# Allegro board SDHCalFEB20180110.brd (continued)
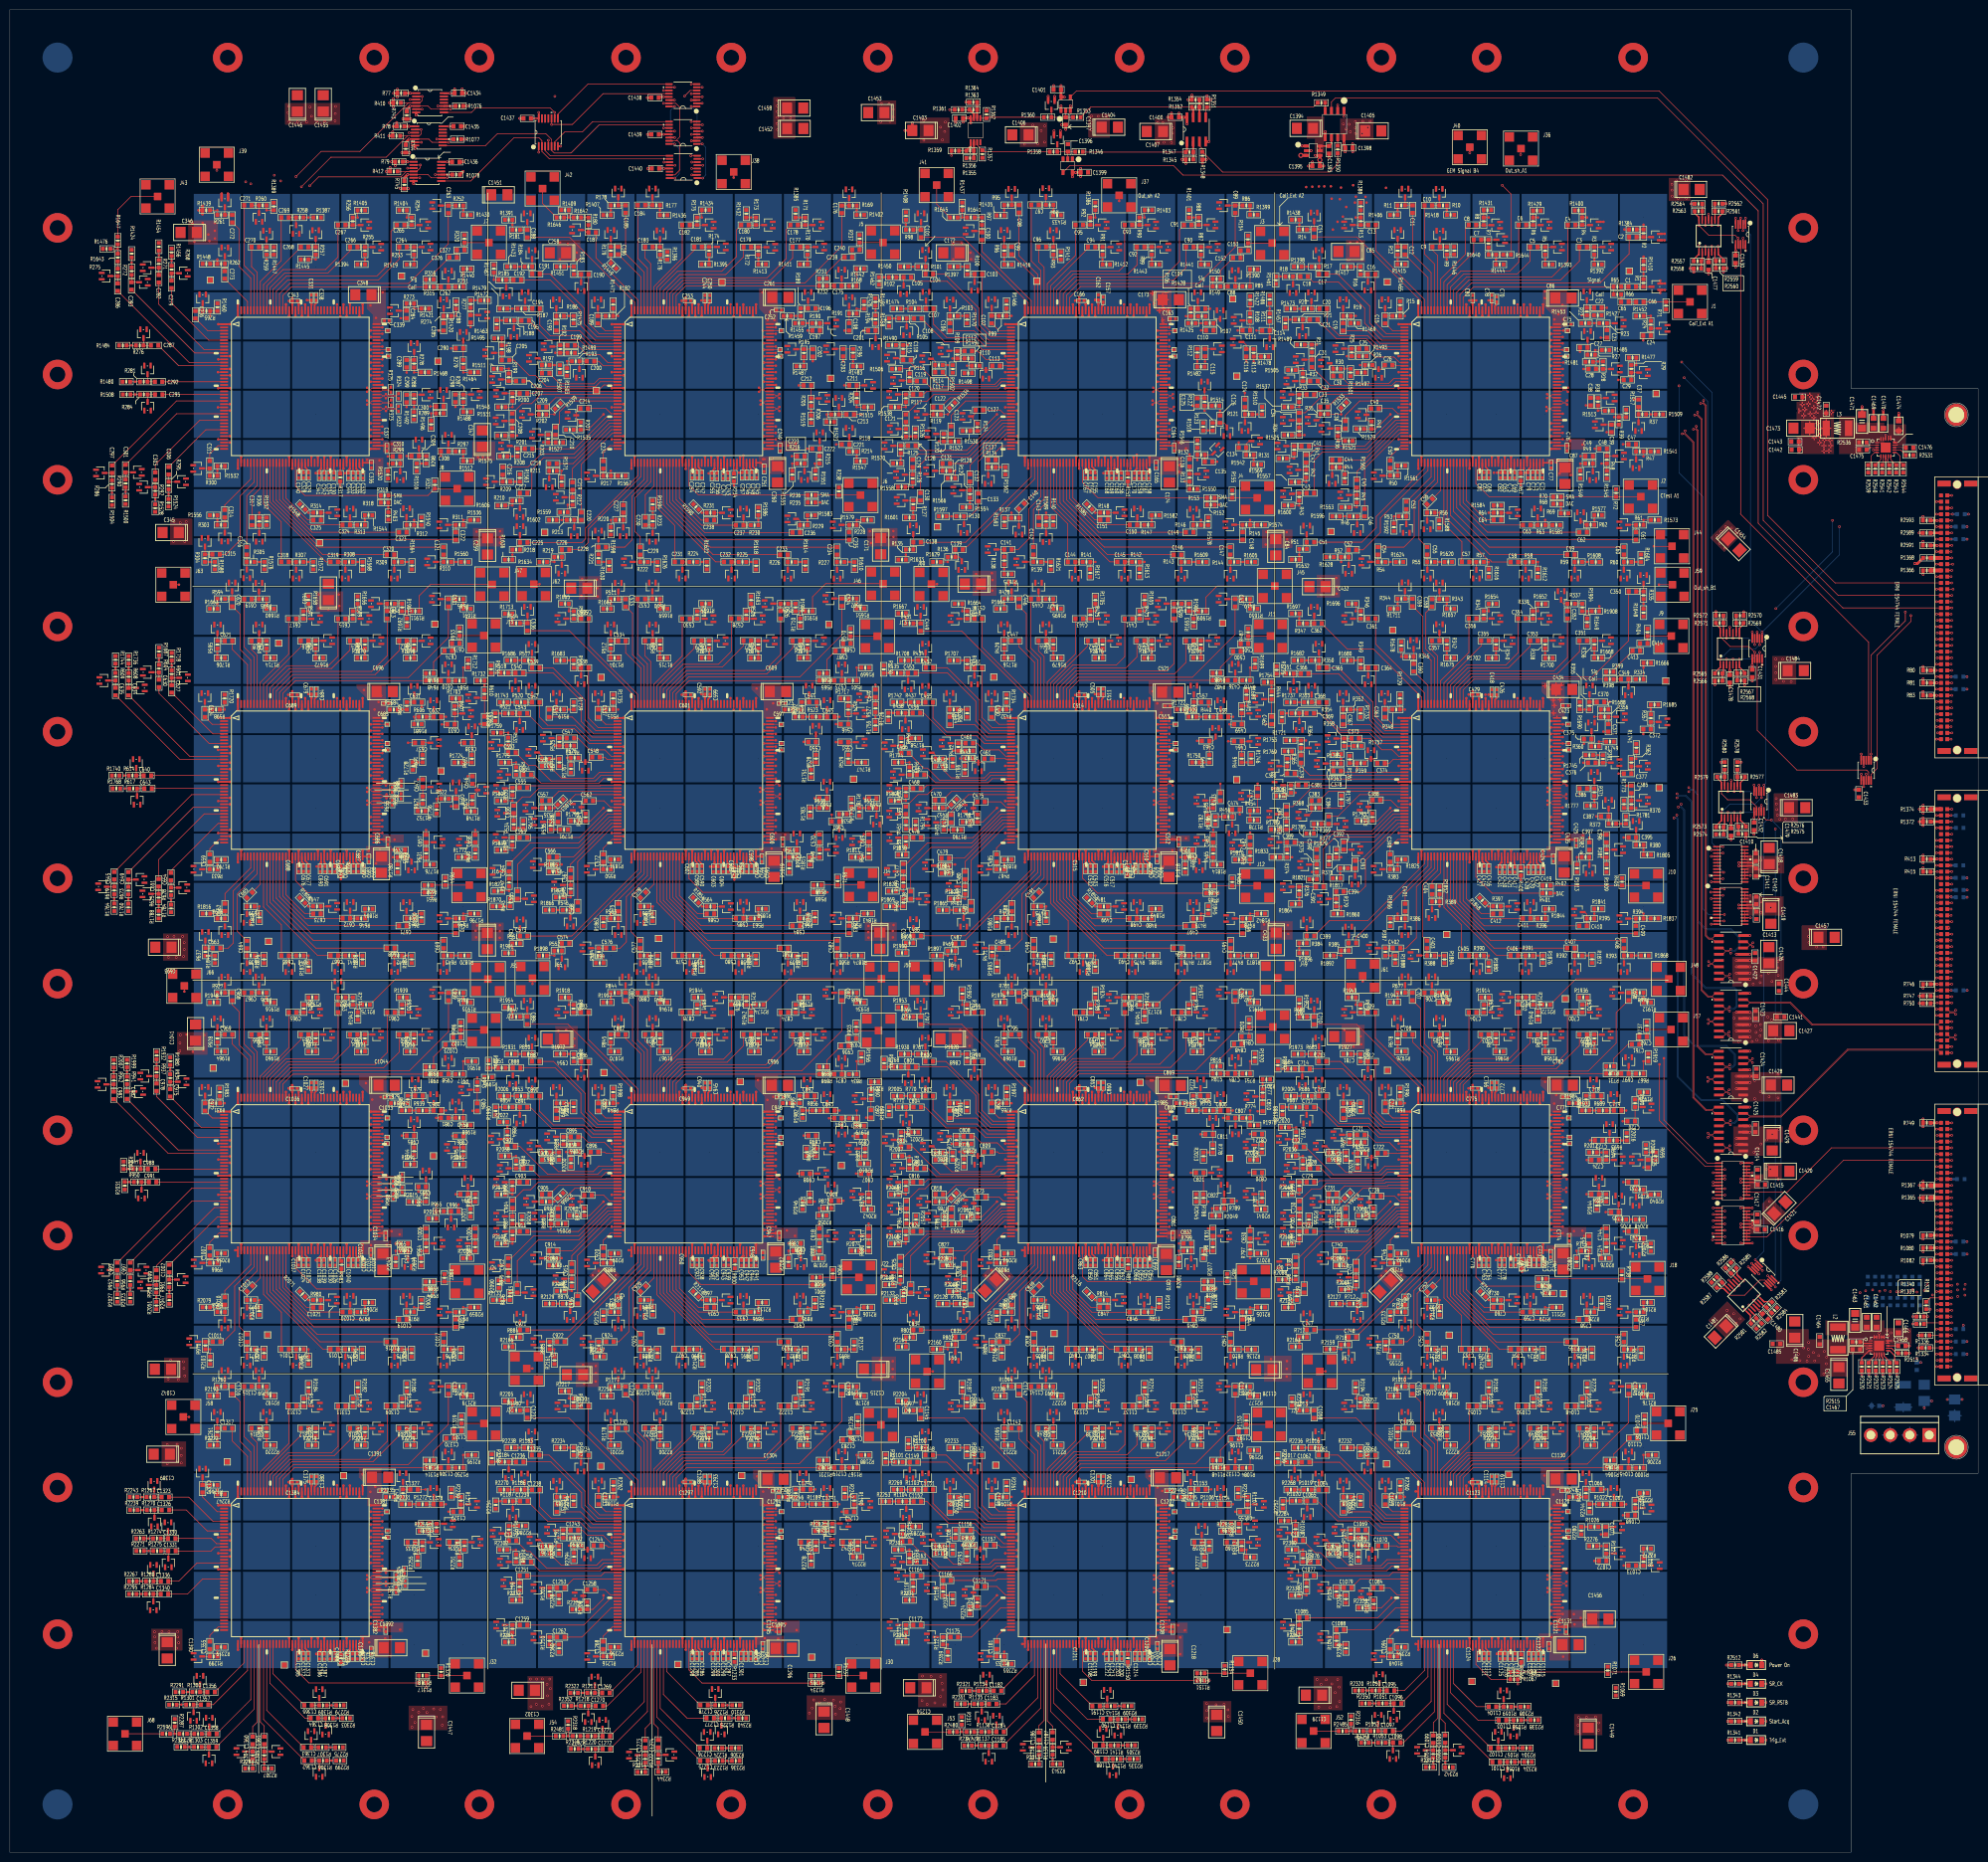
[diagram p0: board, top side]
## Routing (per net, layer and track width the routed paths; a pad name or vN(x,y) marks a point on that pad's centre or on a via; arc(x,y) is an arc through that point) (continued)
VCC3.3VA: length 498.8
  TOP w0.254: U1080.4 v4(350,209.04) ; U1079.4 v4(349.75,240.18) ; U585.76 v1(309.17,121.14) ; U1078.4 v4(345.43,324.08)
  TOP w0.305: v1(218.76,121.14) U650.60 v1(218.76,123.51) ; C166.1 217.46,315.3 v1(217.46,314.53) U130.143 ; C166.1 v1(216.61,315.3) ; C166.1 v1(217.45,316) ; U780.143 v1(57.44,154.51) ; v1(229.16,41.13) U910.76 ; v1(308.19,200.15) C428.1 308.82,200.81 v1(309.17,201.15) U325.76 ; v1(138.75,123.51) U715.60 v1(138.75,121.14) ; C1039.1 63.94,120.34 U780.68 v1(63.94,123.51) ; C429.1 v1(297.46,235.97) ; C429.1 297.46,234.52 v1(297.47,234.52) U325.143 ; C429.1 v1(296.65,235.26) ; v1(143.95,203.52) U455.68 143.95,200.41 C604.1 C603.1 ; C343.1 57.44,315.22 v1(57.44,314.53) U260.143 ; C343.1 v1(56.76,315.24) ; C343.1 v1(57.45,315.87) ; v1(296.61,155.22) 296.62,155.23 C775.1 ; v1(228.86,120.22) 228.86,120.85 v1(229.16,121.14) U650.76 ; v1(303.97,283.53) U65.68 303.97,280.43 C83.1 C82.1 ; v1(63.94,203.52) U520.68 63.94,201.21 64.09,201.06 C691.1 C690.1 ; C514.1 v1(217.46,234.52) U390.143 ; C514.1 v1(216.64,235.17) ; C514.1 v1(217.46,235.86) ; v1(298.77,203.52) U325.60 v1(298.77,201.15) 298.77,200.37 C427.1 ; U195.143 v1(137.45,314.53) 137.45,314.53 C253.1 ; C168.1 223.31,280.47 v1(223.31,281.16) U130.67 ; C168.1 v1(222.38,280.24) ; C168.1 C169.1 223.96,280.32 U130.68 v1(223.96,283.53) ; C601.1 v1(136.63,235.21) ; C601.1 v1(137.44,235.89) ; C601.1 137.45,235.21 v1(137.45,234.52) U455.143 ; C952.1 143.77,121.17 143.95,121.34 U715.68 v1(143.95,123.51) ; C1213.1 223.96,40.34 U910.68 v1(223.96,43.5) ; U455.67 v1(143.3,201.15) 143.3,200.49 C603.1 ; U260.76 v1(69.14,281.16) 68.83,280.86 C344.1 v1(68.2,280.25) ; U455.76 v1(149.15,201.15) 149.15,200.6 C605.1 v1(148.18,200.3) ; C341.1 C342.1 63.94,280.29 U260.68 v1(63.94,283.53) ; C341.1 v1(62.2,280.26) ; C341.1 62.92,280.79 v1(63.29,281.16) U260.67 ; C777.1 C778.1 303.97,120.37 U585.68 v1(303.97,123.51) ; C777.1 v1(302.23,120.32) ; C777.1 302.93,120.75 v1(303.32,121.14) U585.67 ; U65.67 303.32,280.55 C82.1 ; U975.67 v1(143.3,41.13) ; v1(58.74,43.5) U1040.60 v1(58.74,41.13) ; C516.1 v1(222.3,200.27) ; C516.1 C517.1 223.96,200.33 U390.68 v1(223.96,203.52) ; C516.1 223,200.84 v1(223.31,201.15) U390.67 ; U1081.4 v4(355.74,110.06) 356.4,109.39 C1480.1 ; C170.1 228.66,280.67 v1(229.16,281.16) U130.76 v1(229.16,283.97) ; C603.1 v1(142.39,200.28) ; C775.1 v1(297.46,155.91) ; C775.1 297.47,155.22 v1(297.47,154.51) U585.143 ; v1(218.76,43.5) U910.60 v1(218.76,41.13) ; v1(149.15,283.82) U195.76 v1(149.15,281.16) 149.15,280.57 C257.1 v1(148.27,280.33) ; C1387.1 63.94,40.3 U1040.68 v1(63.94,43.5) ; v1(138.75,203.52) U455.60 v1(138.75,201.15) 138.75,200.33 C602.1 ; C167.1 218.76,280.32 v1(218.76,281.16) U130.60 ; v1(143.95,283.53) U195.68 143.95,280.37 C256.1 C255.1 ; v1(308.31,120.32) C779.1 308.95,120.92 v1(309.17,121.14) ; C689.1 v1(56.59,235.21) ; C689.1 57.44,235.21 v1(57.44,234.52) U520.143 ; C689.1 v1(57.43,235.92) ; C80.1 v1(296.77,315.35) ; C80.1 297.47,315.34 v1(297.47,314.53) U65.143 ; C80.1 v1(298.17,315.35) ; v1(228.3,200.32) C518.1 228.94,200.94 v1(229.16,201.15) U390.76 ; U650.67 v1(223.31,121.14) 222.97,120.8 C864.1 v1(222.28,120.29) ; v1(138.75,43.5) U975.60 v1(138.75,41.13) ; C82.1 v1(302.41,280.34) ; v1(138.75,283.53) U195.60 v1(138.75,281.16) 138.75,281.16 C254.1 ; U845.67 v1(303.32,41.13) ; U715.76 v1(149.15,121.14) ; C1300.1 143.95,40.34 U975.68 v1(143.95,43.52) ; v1(68.26,200.33) C692.1 68.89,200.91 v1(69.14,201.15) U520.76 ; v1(58.74,123.51) U780.60 v1(58.74,121.14) ; v1(303.97,203.52) U325.68 303.97,200.18 C430.1 C431.1 ; C431.1 v1(302.29,200.18) ; C431.1 302.98,200.82 v1(303.32,201.15) U325.67 ; C1126.1 303.97,40.36 U845.68 v1(303.97,43.5) ; C253.1 v1(136.63,315.28) ; C253.1 v1(137.45,315.98) ; U780.67 v1(63.29,121.14) ; U650.143 v1(217.46,154.51) ; C340.1 58.74,280.33 v1(58.74,281.16) U260.60 ; C81.1 298.77,280.34 v1(298.77,281.16) U65.60 v1(298.77,283.53) ; U910.67 v1(223.31,41.13) ; U65.76 309.17,281.35 v1(308.94,281.13) 308.71,280.89 C79.1 v1(308.07,280.34) ; C690.1 63.1,200.97 v1(63.29,201.15) U520.67 ; C690.1 v1(62.41,200.3) ; v1(298.77,123.51) U585.60 v1(298.77,121.14) 298.77,120.3 C776.1 ; U195.67 v1(143.3,281.16) 142.79,280.65 C255.1 ; U1040.67 v1(63.29,41.13) ; U715.67 v1(143.3,121.14) ; C865.1 223.96,120.3 U650.68 v1(223.96,123.51) ; U780.76 v1(69.14,121.14) ; C515.1 v1(218.76,201.15) U390.60 v1(218.76,203.52) ; C255.1 v1(142.11,280.2) ; U910.143 v1(217.46,74.5) ; U845.76 v1(309.17,41.13) ; U975.143 v1(137.45,74.5) ; U1040.76 v1(69.14,41.13) ; v1(298.77,41.13) U845.60 v1(298.77,43.5) ; v1(58.74,203.52) U520.60 v1(58.74,201.15) 58.74,200.33 C688.1 ; U975.76 v1(149.15,41.13) ; U715.143 v1(137.45,154.51) ; U845.143 v1(297.47,74.5) ; U1040.143 v1(57.44,74.5)
  TOP w0.508: C951.1 v1(142.15,120.27) ; C951.1 142.78,120.63 v1(143.3,121.14) ; C951.1 C952.1 ; C1299.1 142.99,40.82 v1(143.3,41.13) ; C1299.1 C1300.1 ; C1299.1 v1(142.35,40.31) ; v1(138.75,121.14) 138.75,120.32 C950.1 ; v1(69.14,121.14) 68.84,120.85 v1(68.84,120.29) ; v1(297.47,74.5) 297.47,75.18 C1123.1 ; C1211.1 218.76,40.31 v1(218.76,41.13) ; C1297.1 v1(137.44,75.85) ; C1297.1 v1(136.74,75.22) ; C1297.1 137.45,75.21 v1(137.45,74.5) ; v1(58.74,41.13) 58.74,40.31 C1385.1 ; v1(57.44,154.51) 57.44,155.22 C1036.1 ; C1384.1 57.44,75.18 v1(57.44,74.5) ; C1384.1 v1(56.73,75.19) ; C1384.1 v1(57.43,75.83) ; v4(349.75,240.18) 349.75,240.18 C1478.1 ; v1(68.68,40.28) 68.68,40.68 v1(69.14,41.13) ; C1124.1 298.76,41.13 v1(298.77,41.13) ; C1125.1 v1(302.4,40.31) ; C1125.1 303.03,40.84 v1(303.32,41.13) ; C1125.1 C1126.1 ; C949.1 v1(136.74,155.25) ; C949.1 v1(137.44,155.89) ; C949.1 137.45,155.24 v1(137.45,154.51) ; v1(222.39,40.28) C1212.1 223.02,40.85 v1(223.31,41.13) ; v4(345.43,324.08) 345.43,323.12 C1477.1 ; C1038.1 v1(62.26,120.29) ; C1038.1 62.9,120.75 v1(63.29,121.14) ; C1038.1 C1039.1 ; C1036.1 v1(56.73,155.23) ; C1036.1 v1(57.43,155.86) ; U1042.2 v4(212.33,349.81) ; v4(213.76,359) C1401.1 213.75,358.17 U1046.5 v4(214.44,356.67) ; v4(239.36,351.19) U1045.8 v4(238.7,352.56) 237.74,352.56 C1400.1 v4(237.74,353.39) ; C1386.1 62.97,40.81 v1(63.29,41.13) ; C1386.1 v1(62.33,40.28) ; C1386.1 C1387.1 ; v1(309.17,41.13) 308.87,40.84 v1(308.87,40.26) ; C1479.1 350,208.08 v4(350,209.04) ; C863.1 218.76,120.31 v1(218.76,121.14) ; C1399.1 216.76,341.36 v4(216.75,341.37) U1043.5 v4(216.07,340.45) ; C1399.1 v4(217.74,342.19) ; C1399.1 v4(217.74,340.54) ; v1(228.76,40.28) 228.76,40.74 v1(229.16,41.13) ; v1(217.46,154.51) 217.46,155.19 C862.1 ; v1(148.78,120.27) 148.78,120.77 v1(149.15,121.14) ; v4(195.39,351.4) U1048.8 v4(194.81,352.39) 194.8,352.39 C1402.1 v4(193.85,351.56) ; U1041.4 v4(265.47,344.82) ; U1047.2 v4(211.14,356.82) ; v1(138.75,41.13) 138.75,40.31 C1298.1 ; v1(149.15,41.13) 148.7,40.69 v1(148.7,40.31) ; C862.1 v1(216.75,155.2) ; C862.1 v1(217.45,155.84) ; C1210.1 v1(216.75,75.22) ; C1210.1 v1(217.45,75.85) ; C1210.1 217.46,75.21 v1(217.46,74.5) ; v1(58.74,121.14) 58.74,120.32 C1037.1 ; C1123.1 v1(297.46,75.83) ; C1123.1 v1(296.76,75.19) ; U1044.8 v4(271.28,347.31) 271.28,346.88 271.53,346.63 C1398.1 v4(271.53,345.52) ; C865.1 C864.1 ; C1395.1 v4(267.17,342.66)
  TOP w0.61: U1041.3 v6(262.52,344.82) ; U1041.4 v6(266.39,343.88) C1395.1
  GND1 w0.305: v1(138.75,203.52) v2(138.75,204.25) ; v1(308.07,280.34) v2(308.07,279.6) ; v1(297.47,314.53) v2(297.47,313.79) ; v1(302.29,200.18) v2(302.29,199.44) ; v1(301.78,280.34) v1(302.41,280.34) v2(303.15,280.34) ; v1(301.78,280.34) v2(301.04,280.34) ; v1(301.78,280.34) v2(301.78,279.6) ; v1(309.17,201.15) v2(309.17,201.89) ; v1(298.77,121.14) v2(298.77,121.88) ; v1(217.46,234.52) v2(217.46,233.78) ; v1(138.75,283.53) v2(138.75,284.26) ; v1(143.95,283.53) v2(143.95,284.26) ; v1(298.77,201.15) 298.77,201.83 ; v1(308.19,200.15) v2(308.19,199.42) ; v1(57.43,235.92) v2(58.17,235.92) ; v1(223.96,283.53) v2(223.96,284.26) ; v1(62.2,280.26) v2(62.2,279.53) ; v1(229.16,201.15) v2(229.16,201.89) ; v1(217.46,235.86) v2(217.46,236.6) ; v1(63.29,201.15) v2(63.29,201.89) ; v1(56.76,315.24) v2(56.24,315.76) ; v1(217.45,316) v2(217.45,316.74) ; v1(142.39,200.28) v2(142.39,199.54) ; v1(149.15,281.16) v2(149.15,281.9) ; v1(57.45,315.87) v2(57.45,316.61) ; v1(216.64,235.17) v2(216.64,235.9) ; v1(309.17,121.14) v2(309.17,121.88) ; v1(57.44,234.52) v2(57.44,233.78) ; v1(303.32,201.15) v2(303.32,201.89) ; v1(68.26,200.33) v2(68.26,199.59) ; v1(298.17,315.35) v2(298.91,315.35) ; v1(222.38,280.24) v2(222.38,279.5) ; v1(217.46,314.53) v2(217.46,313.79) ; v1(137.45,234.52) v2(137.45,233.78) ; v1(302.23,120.32) v2(302.23,119.58) ; v1(142.11,280.2) v2(141.38,280.2) ; v1(69.14,201.15) v2(69.14,201.89) ; v1(56.59,235.21) v2(56.59,235.95) ; v1(229.16,283.97) v2(229.16,284.71) ; v1(63.94,283.53) v2(63.94,284.26) ; v1(63.94,203.52) v2(63.94,204.25) ; v1(216.61,315.3) v2(215.87,315.3) ; v1(218.76,203.52) v2(218.76,202.78) ; v1(223.96,203.52) v2(223.96,204.25) ; v1(138.75,201.15) v2(138.75,200.42) ; v1(217.46,154.51) v2(217.46,153.77) ; v1(218.76,201.15) v2(218.76,200.42) ; v1(303.97,203.52) v2(303.97,204.25) ; v1(148.27,280.33) v2(148.27,279.59) ; v1(138.75,281.16) v2(138.75,280.43) ; v1(143.3,201.15) v2(143.3,201.89) ; v1(149.15,201.15) v2(149.15,201.89) ; v1(296.65,235.26) v2(296.65,236) ; v1(58.74,203.52) v2(58.74,204.25) ; v1(297.47,234.52) v2(297.47,233.78) ; v1(69.14,281.16) v2(69.14,281.9) ; v1(297.46,235.97) v2(297.46,236.7) ; v1(229.16,281.16) v2(229.16,281.9) ; v1(303.97,123.51) v2(303.97,124.24) ; v1(137.45,315.98) v2(137.45,316.71) ; v1(222.3,200.27) v2(222.3,199.53) ; v1(298.77,283.53) v2(298.77,284.26) ; v1(137.45,314.53) v2(137.45,313.79) ; v1(148.18,200.3) v2(148.18,199.56) ; v1(223.31,201.15) v2(223.31,201.89) ; v1(62.41,200.3) v2(62.41,199.57) ; v1(149.15,283.82) v2(149.15,284.56) ; v1(228.3,200.32) v2(228.3,199.58) ; v1(136.63,235.21) v2(136.63,235.95) ; v1(296.77,315.35) v2(296.77,316.08) ; v1(68.2,280.25) v2(68.2,279.52) ; v1(143.95,203.52) v2(143.95,204.25) ; v1(298.77,281.16) v2(298.77,281.9) ; v1(308.94,281.13) v2(308.94,281.86) ; v1(303.97,283.53) v2(303.97,284.26) ; v1(297.46,155.91) v2(298.2,155.91) ; v1(58.74,201.15) v2(58.74,201.89) ; v1(298.77,123.51) v2(298.77,124.24) ; v1(136.63,315.28) v2(136.11,315.8) ; v1(63.29,281.16) v2(63.29,281.9) ; v1(298.77,203.52) v2(298.77,204.25) ; v1(297.47,154.51) v2(297.47,153.77) ; v1(143.3,281.16) v2(143.3,281.9) ; v1(303.32,121.14) v2(303.32,121.88) ; v1(296.61,155.22) v2(296.61,155.97) ; v1(58.74,281.16) v2(58.74,281.9) ; v1(57.44,314.53) v2(57.44,313.79) ; v1(137.44,235.89) v2(138.18,235.89) ; v1(308.31,120.32) v2(308.31,119.58) ; v1(223.31,281.16) v2(223.31,281.9)
  GND1 w0.508: v1(122.12,118.11) v2(122.86,118.11) ; v1(199.69,259.92) v2(200.43,259.92) ; v1(256.46,100.2) v2(256.46,100.94) ; v1(199.77,256.39) v2(200.51,256.39) ; v1(41.71,327.94) v2(42.44,327.94) ; v1(296.76,75.19) v2(296.24,75.71) ; v1(275.03,325.48) v2(275.77,325.48) ; v1(280.85,116.23) v2(280.85,116.97) ; v1(149.15,121.14) v2(149.15,121.88) ; v1(40.36,328.75) v2(39.62,328.75) ; v1(274.8,164.19) v2(275.54,164.19) ; v1(217.45,75.85) v2(217.45,76.59) ; v1(177.24,96.32) v2(177.24,95.58) ; v1(99.67,268.45) v2(100.41,268.45) ; v1(179.53,99.77) v2(180.26,99.77) ; v1(138.75,123.51) v2(138.75,124.24) ; v1(259.66,98.22) v2(260.4,98.22) ; v1(217.46,74.5) v2(217.46,73.76) ; v1(175.11,266.04) v2(174.37,266.04) ; v1(303.32,41.13) v2(303.32,41.87) ; v1(255.04,188.52) v2(254.3,188.52) ; v1(174.6,188.21) v2(173.86,188.21) ; v1(66.98,253.26) v2(67.72,253.26) ; v1(200.61,116.39) v2(200.61,117.13) ; v1(68.68,40.28) v2(68.68,39.54) ; v1(95.02,188.32) v2(94.28,188.32) ; v1(148.78,120.27) v2(148.78,119.53) ; v1(271.37,163.73) v2(271.37,164.47) ; v1(115.29,325.07) v2(115.81,325.59) ; v1(119.15,97.33) v2(119.89,97.33) ; v2(136.21,75.76) 136.74,75.22 v1(136.74,75.22) ; v1(259.66,265.61) v2(260.4,265.61) ; v1(272.21,323.67) v2(271.69,323.15) ; v1(179.68,267.28) v2(180.42,267.28) ; v1(223.31,41.13) v2(223.31,41.87) ; v1(272.54,327.1) v2(271.81,327.1) ; v1(137.44,155.89) v2(137.44,156.63) ; v1(218.76,41.13) v2(218.76,40.4) ; v1(259.94,186.61) v2(260.68,186.61) ; v1(174.57,186.97) v2(173.84,186.97) ; v1(202.11,118.16) v2(202.84,118.16) ; v1(143.95,123.51) v2(143.95,124.24) ; v1(58.74,41.13) v2(58.74,40.4) ; v1(119.15,98.81) v2(119.89,98.81) ; v1(229.16,121.14) v2(229.16,121.88) ; v1(303.97,43.5) v2(303.97,44.23) ; v1(69.14,121.14) v2(69.14,121.88) ; v1(269.85,257.18) v2(270.59,257.18) ; v1(148.7,40.31) v2(148.7,39.57) ; v1(228.86,120.22) v2(228.86,119.48) ; v1(179.53,98.17) v2(180.26,98.17) ; v1(63.94,43.5) v2(63.94,44.23) ; v1(281.91,118.24) v2(282.65,118.24) ; v1(179.58,185.9) v2(180.31,185.9) ; v1(138.75,41.13) v2(138.75,40.4) ; v1(116.36,258.72) v2(116.36,259.46) ; v1(222.39,40.28) v2(222.39,39.55) ; v1(119.46,256.84) v2(120.19,256.84) ; v1(62.89,255.57) v2(62.89,256.31) ; v1(99.67,266.09) v2(100.41,266.09) ; v1(217.45,155.84) v2(217.45,156.57) ; v1(143.3,41.13) v2(143.3,41.87) ; v1(259.69,99.8) v2(260.43,99.8) ; v2(216.22,155.74) 216.75,155.21 v1(216.75,155.2) ; v1(58.74,43.5) v2(58.74,44.23) ; v1(195.17,163.86) v2(195.17,163.12) ; v1(119.76,118.11) v2(119.76,118.85) ; v1(298.77,41.13) v2(298.77,40.4) ; v1(35.97,166.14) v2(35.97,165.4) ; v1(259.74,266.8) v2(260.48,266.8) ; v1(282.91,117.32) v2(283.64,117.32) ; v1(37.16,331.01) v2(36.42,331.01) ; v1(57.44,154.51) v2(57.44,153.77) ; v1(136.74,155.25) v2(136.22,155.77) ; v1(222.28,120.29) v2(222.28,119.56) ; v1(68.84,120.29) v2(68.84,119.56) ; v1(203.23,116.99) v2(203.96,116.99) ; v1(257.15,96.14) v2(257.15,95.4) ; v1(138.75,121.14) v2(138.75,120.41) ; v1(95.05,266.22) v2(94.31,266.22) ; v1(179.55,187.22) v2(180.29,187.22) ; v1(266.5,258.85) v2(266.5,259.59) ; v1(271.37,167.06) v2(271.37,167.79) ; v1(308.87,40.26) v2(308.87,39.52) ; v1(218.76,123.51) v2(218.76,124.24) ; v1(116.79,95.22) v2(117.53,95.22) ; v1(191.85,326.87) v2(191.33,327.39) ; v1(62.33,40.28) v2(61.59,40.28) ; v1(142.15,120.27) v2(142.15,119.53) ; v1(259.64,268.25) v2(260.38,268.25) ; v1(111.89,327.08) v2(111.15,327.08) ; v1(143.95,43.52) v2(143.95,44.25) ; v1(179.53,96.57) v2(180.26,96.57) ; v1(118.54,117.25) v2(117.81,117.25) ; v1(94.82,185.93) v2(94.08,185.93) ; v1(40.59,327.43) v2(40.59,326.69) ; v1(191.39,163.83) v2(191.39,164.57) ; v1(39.22,331.09) v2(39.95,331.09) ; v1(41.66,331.09) v2(42.39,331.09) ; v1(174.6,185.85) v2(173.86,185.85) ; v1(223.96,43.5) v2(223.96,44.23) ; v1(94.72,187.25) v2(93.98,187.25) ; v1(274.68,165.79) v2(275.41,165.79) ; v1(302.4,40.31) v2(302.4,39.57) ; v1(174.88,268.43) v2(174.14,268.43) ; v1(269.8,255.75) v2(270.54,255.75) ; v1(137.45,74.5) v2(137.45,73.76) ; v1(56.73,155.23) v2(56.21,155.75) ; v1(138.75,43.5) v2(138.75,44.23) ; v1(41.68,329.51) v2(42.42,329.51) ; v1(196.44,256.11) v2(196.44,255.37) ; v1(259.87,188.39) v2(259.87,189.13) ; v1(191.85,323.7) v2(191.33,323.18) ; v1(176.94,99.95) v2(176.94,100.69) ; v1(111.48,163.75) v2(112.22,163.75) ; v1(37.54,327.28) v2(37.54,326.54) ; v1(297.46,75.83) v2(297.46,76.56) ; v1(116.23,255.3) v2(116.23,254.56) ; v1(114.78,165.33) v2(115.52,165.33) ; v1(137.45,154.51) v2(137.45,153.77) ; v1(123.22,117.25) v2(123.95,117.25) ; v1(113.49,326.85) v2(114.22,326.85) ; v1(37.21,162.66) v2(36.47,162.66) ; v1(58.74,121.14) v2(58.74,120.41) ; v1(114.76,163.86) v2(115.49,163.86) ; v1(62.84,252.78) v2(62.84,253.52) ; v1(218.76,43.5) v2(218.76,44.23) ; v1(193.24,167.03) v2(192.51,167.03) ; v1(57.43,155.86) v2(57.43,156.6) ; v1(63.29,121.14) v2(63.29,121.88) ; v1(57.43,75.83) v2(58.17,75.83) ; v1(223.96,123.51) v2(223.96,124.24) ; v1(179.65,268.48) v2(180.39,268.48) ; v1(228.76,40.28) v2(228.76,39.55) ; v1(279.88,118.06) v2(279.88,118.8) ; v1(119.13,95.66) v2(119.86,95.66) ; v1(99.64,188.37) v2(100.38,188.37) ; v1(266.73,255.5) v2(267.46,255.5) ; v1(64.77,252.58) v2(65.51,252.58) ; v1(119.35,258.6) v2(120.09,258.6) ; v1(119.53,255.19) v2(120.27,255.19) ; v1(255.52,268.3) v2(254.79,268.3) ; v1(309.17,41.13) v2(309.17,41.87) ; v1(273.25,163.7) v2(273.25,164.44) ; v1(66.88,255.57) v2(67.61,255.57) ; v1(99.64,187.17) v2(100.38,187.17) ; v1(278.87,117.14) v2(278.13,117.14) ; v1(115.09,323.65) v2(115.61,323.13) ; v1(111.84,323.7) v2(111.32,323.18) ; v1(195.33,325.04) v2(196.06,325.04) ; v1(57.44,74.5) v2(57.44,73.52) ; v1(195.45,323.72) v2(195.97,323.2) ; v1(63.29,41.13) v2(63.29,41.87) ; v1(297.47,74.5) v2(297.47,73.76) ; v1(39.55,166.04) v2(38.81,166.04) ; v1(259.64,96.65) v2(260.38,96.65) ; v1(99.62,185.83) v2(100.36,185.83) ; v1(111.56,166.88) v2(111.56,166.14) ; v1(143.3,121.14) v2(143.3,120.41) ; v1(193.5,326.95) v2(193.5,327.69) ; v1(39.34,162.99) v2(39.34,162.26) ; v1(58.74,123.51) v2(58.74,124.24) ; v1(269.72,258.93) v2(270.46,258.93) ; v1(137.44,75.85) v2(138.18,75.85) ; v1(179.71,188.42) v2(180.44,188.42) ; v1(255.09,186.33) v2(254.36,186.33) ; v1(196.49,259.74) v2(197.23,259.74) ; v1(194.64,165.61) v2(194.12,165.09) ; v1(116.59,99.01) v2(116.59,99.75) ; v1(94.92,268.35) v2(94.18,268.35) ; v1(223.31,121.14) v2(223.31,121.88) ; v1(257.2,188.57) v2(257.2,189.31) ; v1(198.45,117.17) v2(197.71,117.17) ; v1(218.76,121.14) v2(218.76,120.41) ; v1(63.94,123.51) v2(63.94,124.24) ; v1(255.37,265.73) v2(254.63,265.73) ; v1(216.75,75.22) v2(216.23,75.74) ; v1(142.35,40.31) v2(142.35,39.57) ; v1(149.15,41.13) v2(149.15,41.87) ; v1(179.68,265.99) v2(180.42,265.99) ; v1(69.14,41.13) v2(69.14,41.87) ; v1(298.77,43.5) v2(298.77,44.23) ; v1(229.16,41.13) v2(229.16,41.87) ; v1(273.96,327.13) v2(273.96,327.86) ; v1(274.93,323.65) v2(275.45,323.13) ; v1(62.26,120.29) v2(62.26,119.56) ; v1(199.82,258.52) v2(200.56,258.52) ; v1(56.73,75.19) v2(56.21,75.71) ; v1(113.13,167.06) v2(113.87,167.06) ; v1(199.67,118.21) v2(198.93,118.21) ; v1(99.67,267.23) v2(100.41,267.23)
  vias: v1(120.86,116.27) v2(298.75,201.89) v4(29.41,44.78) v4(29.46,43.74) v4(29.51,42.6) v4(29.79,41.45) v4(30.94,44.83) v4(32,82.85) v4(32,78.89) v4(32.08,186.06) v4(32.23,181.86) v4(32.18,96.14) v4(32.36,44.78) v4(32.72,100.03) v4(33.27,266.34) v4(33.4,270.38) v4(33.38,186.11) v4(33.83,181.84) v4(33.93,41.45) v4(34.01,82.91) v4(34.14,44.83) v4(34.14,43.71) v4(34.26,96.01) v4(34.32,42.55) v4(34.65,270.15) v4(34.59,164.44) v4(34.57,162.81) v4(34.67,166.07) v4(34.85,80.62) v4(34.87,82.07) v4(34.87,79.1) v4(35.13,186.11) v4(35.33,182.04) v4(35.31,99.67) v4(35.41,98.32) v4(35.46,184.84) v4(35.46,183.44) v4(35.56,266.34) v4(35.56,96.8) v4(35.86,270.41) v4(105.87,35.18) v4(105.97,29.57) v4(107.14,35.18) v4(107.06,30.05) v4(108.28,35.2) v4(108.28,29.69) v4(109.25,34.11) v4(109.32,31.78) v4(109.63,30.07) v4(109.8,35.18) v4(109.91,33.22) v4(185.5,30.78) v4(185.57,35.79) v4(185.85,351.79) v4(185.85,347.9) v4(186.51,30.05) v4(187.32,35.74) v4(188.09,30.35) v4(189.26,350.55) v4(189.28,35.69) v4(189.26,31.62) v4(189.64,347.95) v4(189.56,34.32) v4(189.71,32.97) v4(189.97,29.95) v4(190.09,349.68) v4(190.22,351.59) v4(205.97,350.95) v4(206.32,347.09) v4(208.03,350.98) v4(209.04,347.19) v4(209.73,349.86) v4(210.44,350.8) v4(210.41,347.52) v4(219.94,352.78) v4(219.94,351.36) v4(219.94,349.99) v4(221.31,352.76) v4(223.04,352.76) v4(233.43,351.46) v4(233.53,347.5) v4(234.47,351.46) v4(234.7,347.47) v4(236.19,347.42) v4(236.42,349.35) v4(236.5,350.42) v4(265.81,35.1) v4(266.17,29.46) v4(266.62,34.11) v4(267.69,35.03) v4(268.48,29.39) v4(268.81,34.19) v4(269.49,32.41) v4(269.82,29.57) v4(270,35.08) v4(270.31,33.55) v4(270.38,30.63) v4(271.17,351.21) v4(271.68,350.16) v4(272.34,351.13) v4(272.57,349.61) v4(273.61,351.66) v4(273.61,350.39) v4(273.63,349.28) v4(274.99,349.25) v4(275.11,351.74) v4(276.12,350.49) v4(276.63,351.74) v4(337.97,338.96) v4(338,337.77) v4(338.02,336.52) v4(338.89,339.62) v4(339.22,336.09) v4(340.87,339.67) v4(340.92,336.12) v4(346.35,108.15) v4(349.2,110.11) v4(349.61,108.86) v4(350.55,109.42) v4(351.05,107.49) v4(351.84,108.38) v4(359.11,242.47) v4(359.08,240.97) v4(359.11,239.7) v4(359.13,238.3) v4(359.18,214.12) v4(359.23,213.03) v4(359.31,211.89) v4(359.41,210.74) v4(359.92,209.91) v4(360.48,242.42) v4(360.68,237.92) v4(361.06,209.98) v4(362.23,237.87) v4(362.15,214.48) v4(362.38,100.08) v4(362.56,209.98) v4(363.7,101.19) v4(364.01,99.9) v4(364.77,102.49) v4(365.46,99.8) v4(365.71,102.21) v4(365.76,103.58) v4(365.79,100.76) v4(366.75,101.52) v4(367,99.85) v4(367.84,100.91) v4(368.86,97.21) v4(368.96,101.75) v4(369.44,100.61) v4(369.37,99.26) v4(369.44,97.89)
VCC3.3VD: length 511.4
  TOP w0.127: v4(367.28,292.46) 367.28,292.43
  TOP w0.254: C1442.1 363.83,285.62 ; C1442.1 363.83,284.38 ; C1442.1 364.41,285 ; 369.37,291.85 C1472.1 ; C1472.1 368.74,292.43 ; C1472.1 369.37,293.01 ; 365.73,293.88 v4(365.73,294.31) ; v4(365.73,294.31) 365.3,294.31 ; v4(365.73,294.31) 365.73,294.74 ; v4(365.73,294.31) 366.17,294.31 ; 364.77,291.49 v4(364.77,291.92) ; v4(364.77,291.92) 364.34,291.92 ; v4(364.77,291.92) 365.2,291.92 ; v4(364.77,291.92) 364.77,292.35 ; 315.26,233.76 v1(315.26,234.19) ; v1(315.26,234.19) 315.26,234.62 ; v1(315.26,234.19) 314.83,234.19 ; v1(315.26,234.19) 315.7,234.19 ; v1(233.76,313.27) 233.76,313.7 ; v1(233.76,313.27) 233.32,313.27 ; v1(233.76,313.27) 234.19,313.27 ; v1(233.76,313.27) 233.76,312.84 ; U1065.6 v4(354.68,210.21) 354.68,209.25 C1432.1 ; 311.76,237.02 v1(312.19,237.02) ; v1(312.19,237.02) 312.19,237.45 ; v1(312.19,237.02) 312.19,236.58 ; v1(312.19,237.02) 312.62,237.02 ; v4(351.57,191.84) U1051.18 354.48,191.84 C1413.1 ; C434.1 314.41,237.62 ; C434.1 313.22,236.3 ; C434.1 315.6,236.3 ; C434.1 314.41,234.97 ; 365.99,295.63 v4(365.99,296.06) ; v4(365.99,296.06) 365.56,296.06 ; v4(365.99,296.06) 365.99,296.49 ; v4(365.99,296.06) 366.42,296.06 ; 313.87,233.68 v1(313.87,234.11) ; v1(313.87,234.11) 313.44,234.11 ; v1(313.87,234.11) 314.3,234.11 ; v1(313.87,234.11) 313.87,234.54 ; v4(367.67,290.35) 367.67,290.78 ; v4(367.67,290.35) 367.67,289.92 ; v4(367.67,290.35) 368.1,290.35 ; v4(367.67,290.35) 367.23,290.35 ; v4(354.68,216.84) U1065.5 ; v4(366.57,295.3) 367.01,295.3 ; v4(366.57,295.3) 366.14,295.3 ; v4(366.57,295.3) 366.57,295.73 ; v4(366.57,295.3) 366.57,294.87 ; v4(368.88,285.83) 369.32,285.83 ; v4(368.88,285.83) 368.45,285.83 ; v4(368.88,285.83) 368.88,286.26 ; v4(368.88,285.83) 368.88,285.39 ; 364.49,293.75 v4(364.49,294.18) ; v4(364.49,294.18) 364.92,294.18 ; v4(364.49,294.18) 364.06,294.18 ; v4(364.49,294.18) 364.49,294.62 ; 315.38,232.99 C423.1 ; C423.1 315.87,233.43 ; C423.1 315.87,232.56 ; 367.94,287.5 v4(367.94,287.93) ; v4(367.94,287.93) 367.51,287.93 ; v4(367.94,287.93) 367.94,288.37 ; v4(367.94,287.93) 368.38,287.93 ; 367.36,289.15 v4(367.79,289.15) ; v4(367.79,289.15) 367.79,289.59 ; v4(367.79,289.15) 368.22,289.15 ; v4(367.79,289.15) 367.79,288.72 ; U1073.5 v4(376.47,223.16) ; 370.26,285.42 v4(370.26,285.85) ; v4(370.26,285.85) 370.26,286.28 ; v4(370.26,285.85) 370.69,285.85 ; v4(370.26,285.85) 369.82,285.85 ; 369.47,284.76 v4(369.9,284.76) ; v4(369.9,284.76) 370.33,284.76 ; v4(369.9,284.76) 369.9,285.19 ; v4(369.9,284.76) 369.9,284.33 ; v4(351.97,136.79) U1052.19 355.01,136.79 C1414.1 ; 365,292.73 v4(365,293.17) ; v4(365,293.17) 364.57,293.17 ; v4(365,293.17) 365,293.6 ; v4(365,293.17) 365.43,293.17 ; C1415.1 354.91,136.14 U1052.18 v4(351.97,136.14) ; 366.39,291.54 v4(366.83,291.54) ; v4(366.83,291.54) 366.83,291.97 ; v4(366.83,291.54) 366.83,291.11 ; v4(366.83,291.54) 367.26,291.54 ; 366.9,287.04 v4(366.9,287.48) ; v4(366.9,287.48) 367.34,287.48 ; v4(366.9,287.48) 366.9,287.91 ; v4(366.9,287.48) 366.47,287.48 ; 363.8,292.48 v4(363.8,292.91) ; v4(363.8,292.91) 364.24,292.91 ; v4(363.8,292.91) 363.8,293.35 ; 234.42,314.17 C173.1 ; C173.1 235.61,315.49 ; C173.1 233.22,315.49 ; C173.1 234.42,316.81 ; 367.51,294.18 v4(367.51,294.61) ; v4(367.51,294.61) 367.08,294.61 ; v4(367.51,294.61) 367.51,295.05 ; v4(367.51,294.61) 367.94,294.61 ; v4(368.99,286.94) 369.42,286.94 ; v4(368.99,286.94) 368.99,286.51 ; v4(368.99,286.94) 368.99,287.38 ; v4(368.99,286.94) 368.55,286.94 ; v4(350.94,332.08) U1058.5 ; v4(370.13,286.92) 370.56,286.92 ; v4(370.13,286.92) 369.7,286.92 ; v4(370.13,286.92) 370.13,286.49 ; v4(370.13,286.92) 370.13,287.35 ; 364.79,289.38 C1473.1 ; C1473.1 365.99,288.06 ; C1473.1 367.18,289.38 ; C1473.1 365.99,290.7 ; 235.51,316.95 v1(235.08,316.95) 234.64,316.95 ; v4(370.41,292.58) 370.84,292.58 ; v4(370.41,292.58) 370.41,292.15 ; v4(370.41,292.58) 370.41,293.01 ; v4(366.09,292.3) 366.09,292.74 ; v4(366.09,292.3) 365.66,292.3 ; v4(366.09,292.3) 366.09,291.87 ; v4(366.09,292.3) 366.52,292.3 ; 313.92,231.07 v1(313.92,231.5) ; v1(313.92,231.5) 314.35,231.5 ; v1(313.92,231.5) 313.49,231.5 ; v1(313.92,231.5) 313.92,231.94 ; C1445.1 364.52,296.32 ; C1445.1 365.1,295.69 ; C1445.1 364.52,295.07 ; v1(314.07,233.03) 314.07,233.46 ; v1(314.07,233.03) 313.64,233.03 ; v1(314.07,233.03) 314.07,232.6 ; v1(314.07,233.03) 314.5,233.03 ; 235.15,313.3 v1(235.59,313.3) ; v1(235.59,313.3) 235.59,312.86 ; v1(235.59,313.3) 235.59,313.73 ; v1(235.59,313.3) 236.02,313.3 ; v1(232.64,314.69) 233.07,314.69 ; v1(232.64,314.69) 232.64,315.13 ; v1(232.64,314.69) 232.64,314.26 ; 315.95,237.17 v1(315.52,237.17) 315.52,237.6 ; 368.41,289.37 L3.2 ; L3.2 369.35,291.14 ; L3.2 369.35,287.6 ; L3.2 370.29,289.37 ; U325.120 314.59,230.85 ; v4(367.28,292.46) 367.72,292.46 ; v4(367.28,292.46) 367.28,292.89 ; v4(367.28,292.46) 366.85,292.46 ; 368.91,284.3 v4(368.91,284.73) ; v4(368.91,284.73) 368.91,285.17 ; v4(368.91,284.73) 369.34,284.73 ; v4(368.91,284.73) 368.48,284.73 ; 363.78,286.03 C1443.1 ; C1443.1 363.78,287.27 ; C1443.1 364.36,286.65 ; v4(351.97,127.67) U1053.19 v4(354.33,127.67) ; 234.34,310.91 v1(234.34,311.34) ; v1(234.34,311.34) 234.77,311.34 ; v1(234.34,311.34) 234.34,311.77 ; U1062.5 v4(354.32,247.93) ; v4(368,286.46) 368.43,286.46 ; v4(368,286.46) 367.56,286.46 ; v4(368,286.46) 368,286.89 ; v4(368,286.46) 368,286.03 ; v4(353.51,118.95) U1069.5 ; v1(234.62,313.64) 234.62,314.07 ; v1(234.62,313.64) 234.62,313.21 ; v1(234.62,313.64) 235.05,313.64 ; v1(234.62,313.64) 234.19,313.64 ; v4(351.57,192.49) U1051.19 354.96,192.49 C1412.1 ; 235.99,311.19 C163.1 ; C163.1 235.5,311.62 ; C163.1 235.99,312.05 ; 231.9,316.8 v1(232.33,316.8) ; v1(232.33,316.8) 232.33,317.23 ; v1(232.33,316.8) 232.33,316.37 ; v1(232.33,316.8) 232.77,316.8 ; v4(354.33,127.02) U1053.18 v4(351.97,127.02) ; U130.80 v1(231.76,283.53) ; U1069.6 v4(358.19,114.26) ; 367.72,295.33 v4(367.72,295.76) ; v4(367.72,295.76) 367.28,295.76 ; v4(367.72,295.76) 367.72,296.19 ; U1062.6 v4(354.32,241.3) ; v4(366.83,293.57) 366.83,294.01 ; v4(366.83,293.57) 366.39,293.57 ; v4(366.83,293.57) 367.26,293.57 ; v4(366.83,293.57) 366.83,293.14 ; U130.120 234.58,310.86 ; U1073.6 v4(376.47,219.07) ; U1058.6 v4(350.94,325.45)